# KiCad board ciaa_acc.kicad_pcb (continued)
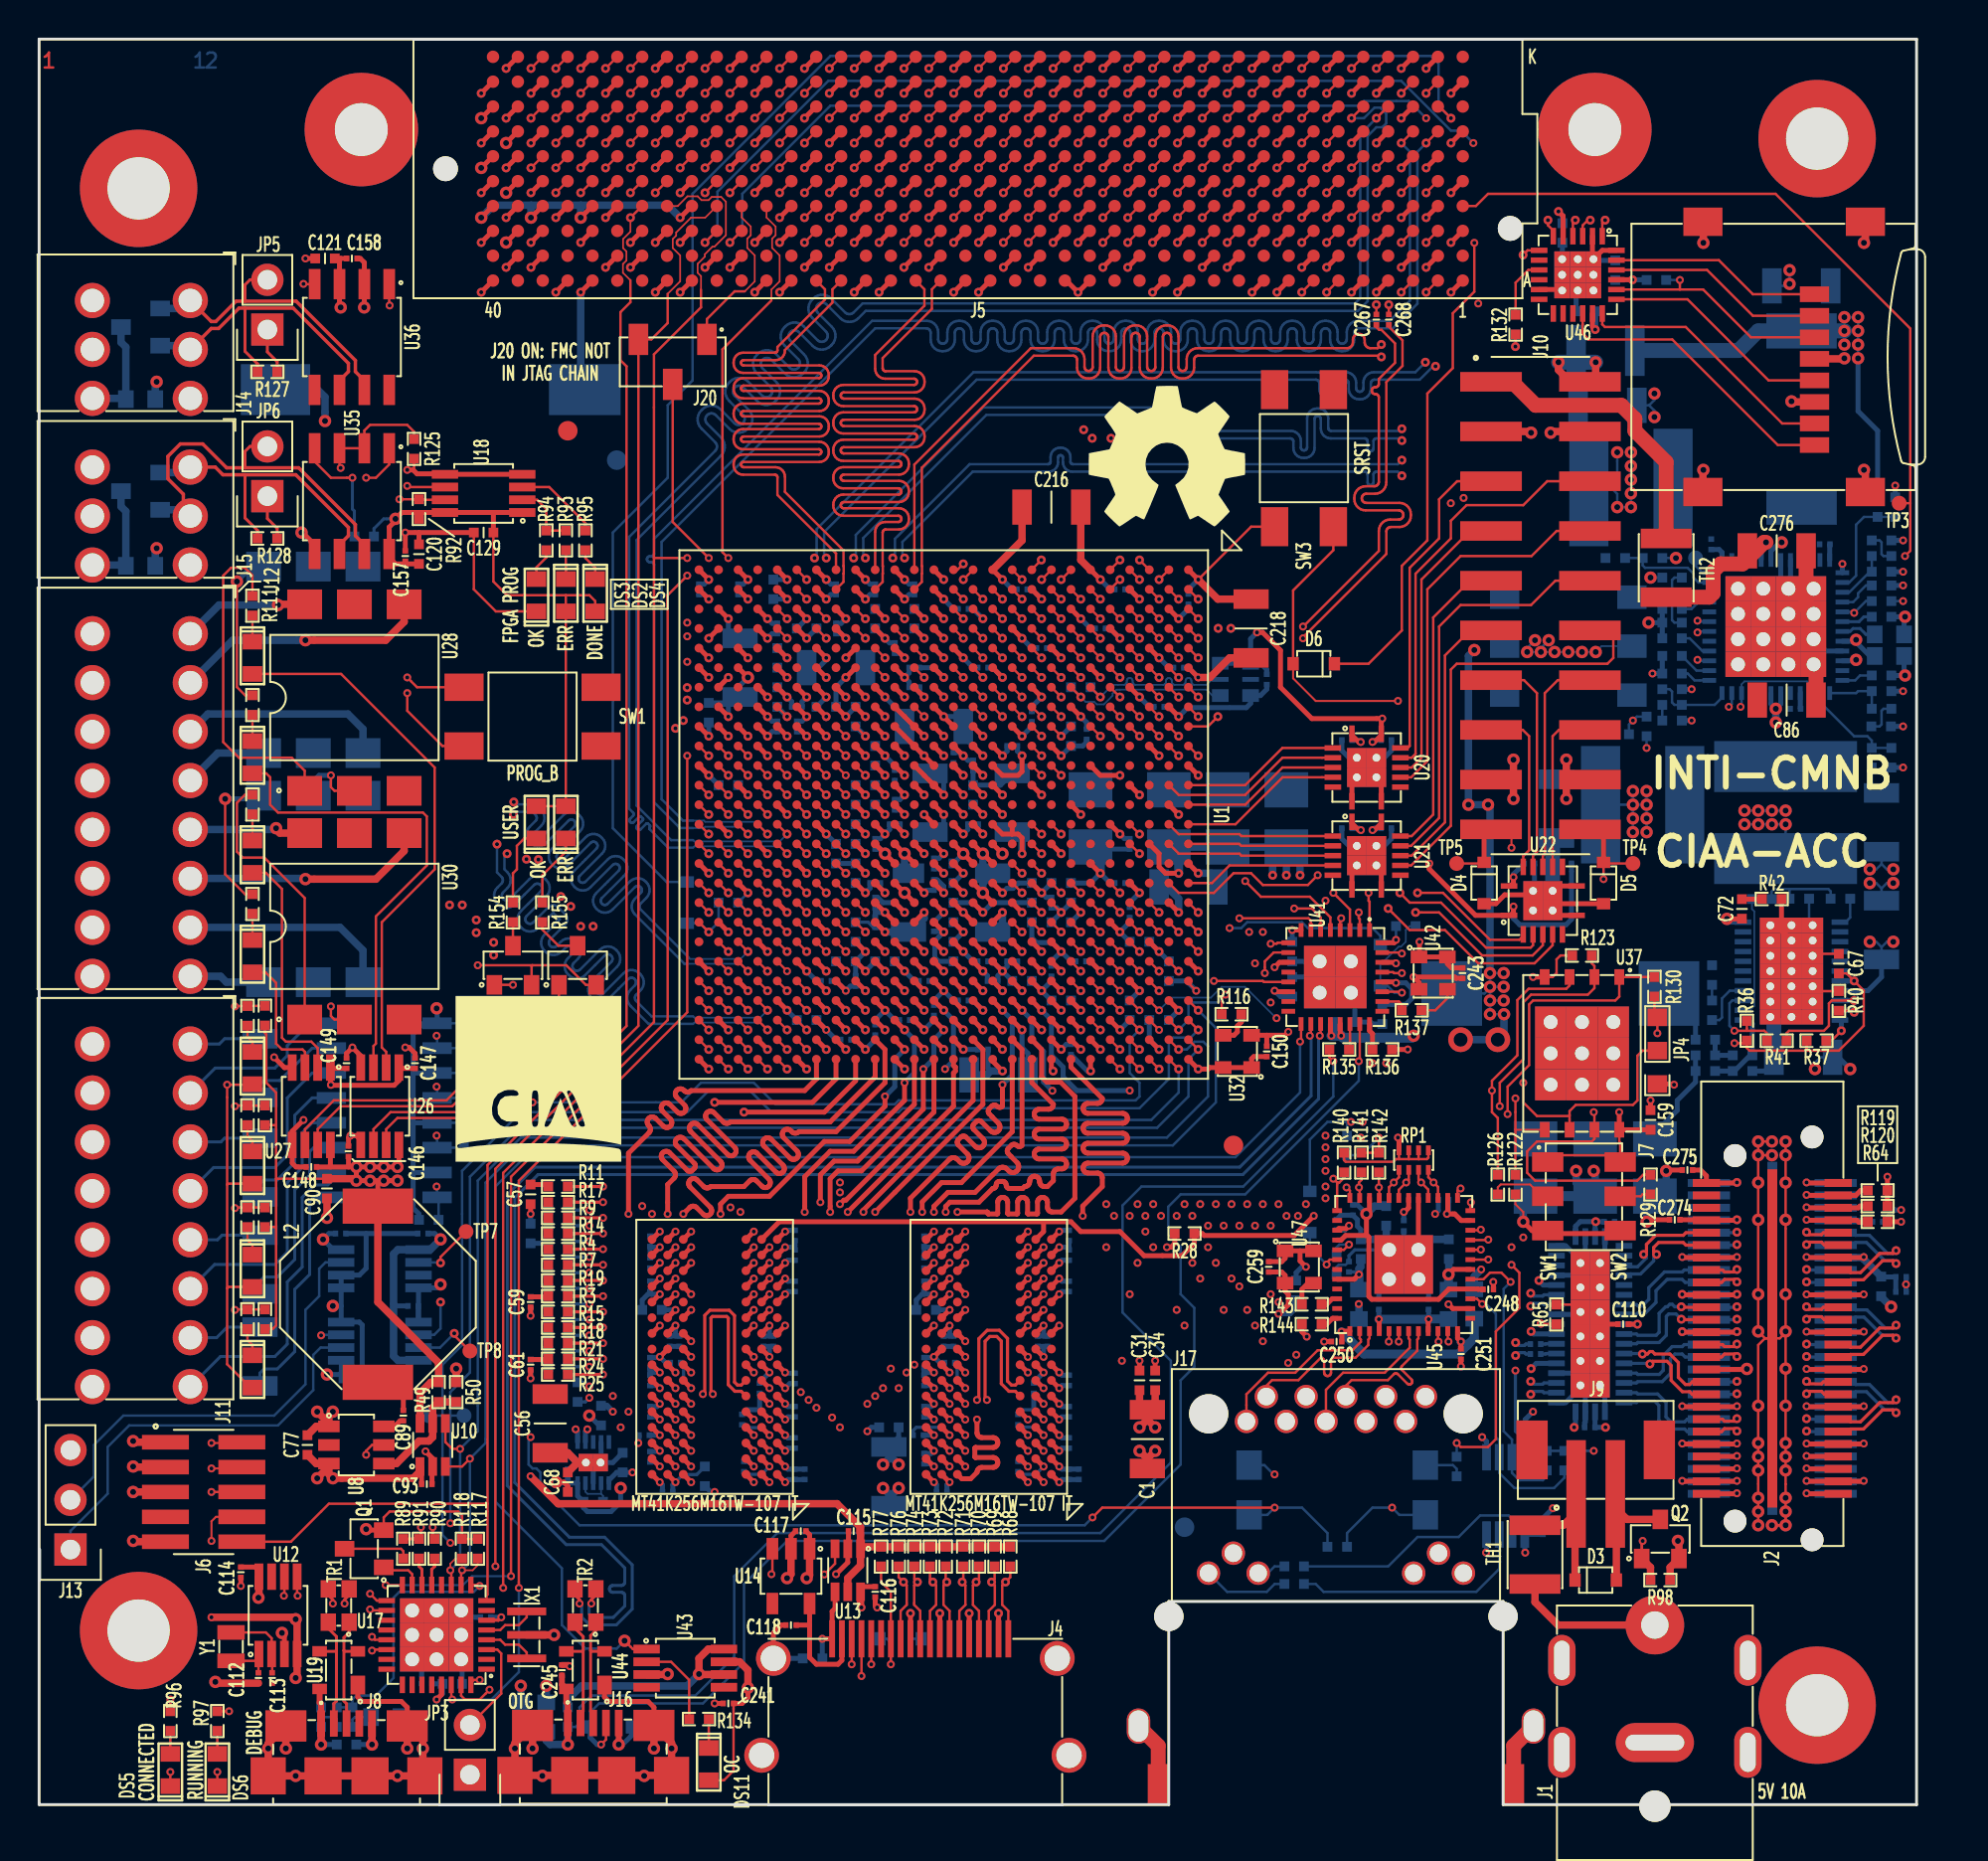
[diagram p0: board, top side]
## Footprints (pads in the part's own frame, mm; a bottom-side part is the same pattern mirrored in y, then rotated) (continued)
LSF0204D
  rect 0.85x0.28 smd: 1(-1.725,-0.75) 7(1.725,-0.75) 8(1.725,0.75) 14(-1.725,0.75)
  rect 0.28x0.85 smd: 2(-1,-1.725) 3(-0.5,-1.725) 4(0,-1.725) 5(0.5,-1.725) 6(1,-1.725) 9(1,1.725) 10(0.5,1.725) 11(0,1.725) 12(-0.5,1.725) 13(-1,1.725)
  rect 1x1 hole 0.4: 15(-0.5,0.5) 15(-0.5,-0.5) 15(0.5,0.5) 15(0.5,-0.5)
MicroSD_Hinged
  rect 0.8x1.5 smd: 1(3.2,-1.55) 2(2.1,-1.55) 3(1,-1.55) 4(-0.1,-1.55) 5(-1.2,-1.55) 6(-2.3,-1.55) 7(-3.4,-1.55) 8(-4.5,-1.55)
  rect 1.45x2 smd: 9(-6.9,4.15) 9(-6.9,-4.15) 9(6.9,4.15) 9(6.9,-4.15)
MSOP-8
  rect 0.45x1.35 smd: 1(-0.975,-1.975) 2(-0.325,-1.975) 3(0.325,-1.975) 4(0.975,-1.975) 5(0.975,1.975) 6(0.325,1.975) 7(-0.325,1.975) 8(-0.975,1.975)
OPTO_SMD
  rect 1.5x1.3 smd: 1(-1.27,-4.5) 2(1.27,-4.5) 3(1.27,4.5) 4(-1.27,4.5)
PCIE104_HOLE
  round 6 hole 3.18: 1(0,0)
PIN_ARRAY_5x2_1.27_SMD
  rect 0.75x2.4 smd: 1(2.54,1.95) 3(1.27,1.95) 8(-1.27,-1.95) 9(-2.54,1.95)
  rect 0.74x2.4 smd: 2(2.54,-1.95) 4(1.27,-1.95) 5(0,1.95) 6(0,-1.95) 7(-1.27,1.95) 10(-2.54,-1.95)
Pin_Header_Straight_1x02
  rect 1.651x1.651 hole 1: 1(0,0)
  oval 1.651x1.651 hole 1: 2(0,-2.54)
Pin_Header_Straight_1x03
  rect 1.651x1.651 hole 1: 1(0,0)
  oval 1.651x1.651 hole 1: 2(0,-2.54) 3(0,-5.08)
Pin_Header_Straight_2x10_SMD
  rect 1x3.15 smd: 1(11.43,2.525) 2(11.43,-2.525) 3(8.89,2.525) 4(8.89,-2.525) 5(6.35,2.525) 6(6.35,-2.525) 7(3.81,2.525) 8(3.81,-2.525) 9(1.27,2.525) 10(1.27,-2.525) 11(-1.27,2.525) 12(-1.27,-2.525) 13(-3.81,2.525) 14(-3.81,-2.525) 15(-6.35,2.525) 16(-6.35,-2.525) 17(-8.89,2.525) 18(-8.89,-2.525) 19(-11.43,2.525) 20(-11.43,-2.525)
PJ-082BH
  round 1.6 hole 1.6 unplated: (2.75,0)
  round 3 hole 1.4: 1(12,0)
  oval 2.6x1.4 hole 2x0.8: 2(5.5,4.75) 2(5.5,-4.75) 2(10.2,4.75) 2(10.2,-4.75)
  oval 2x4 hole 0.8x3: 2(6,0)
ptc_1210
  rect 1x2.6 smd: 1(1.5,0) 2(-1.5,0)
r_0402
  rect 0.5x0.5 smd: 1(-0.5,0) 2(0.5,0)
r_0402_4
  rect 0.25x0.5 smd: 1(-0.75,-0.5) 2(-0.25,-0.5) 3(0.25,-0.5) 4(0.75,-0.5) 5(0.75,0.5) 6(0.25,0.5) 7(-0.25,0.5) 8(-0.75,0.5)
r_1206
  rect 1x1.8 smd: 1(-1.5,0) 2(1.5,0)
SC-70-6
  rect 0.45x0.95 smd: 1(-0.65,-1.1) 2(0,-1.1) 3(0.65,-1.1) 4(0.65,1.1) 5(0,1.1) 6(-0.65,1.1)
SOD-323
  rect 0.584x0.686 smd: 1(-1.055,0) 2(1.055,0)
SOIC-8
  rect 1.55x0.6 smd: 1(-2.7,1.905) 2(-2.7,0.635) 3(-2.7,-0.635) 4(-2.7,-1.905) 5(2.7,-1.905) 6(2.7,-0.635) 7(2.7,0.635) 8(2.7,1.905)
SOIC-16
  rect 0.6x1.5 smd: 1(-4.445,-2.7) 2(-3.175,-2.7) 3(-1.905,-2.7) 4(-0.635,-2.7) 5(0.635,-2.7) 6(1.905,-2.7) 7(3.175,-2.7) 8(4.445,-2.7) 9(4.445,2.7) 10(3.175,2.7) 11(1.905,2.7) 12(0.635,2.7) 13(-0.635,2.7) 14(-1.905,2.7) 15(-3.175,2.7) 16(-4.445,2.7)
SOT-23
  rect 0.8x1 smd: 1(-0.95,-1) 2(0.95,-1) 3(0,1)
SOT-23-5
  rect 0.6x1.1 smd: 1(-0.95,-1.4) 2(0,-1.4) 3(0.95,-1.4) 4(0.95,1.4) 5(-0.95,1.4)
SOT-23-6
  rect 0.6x1.1 smd: 1(-0.95,-1.4) 2(0,-1.4) 3(0.95,-1.4) 4(0.95,1.4) 5(0,1.4) 6(-0.95,1.4)
SOT-143
  rect 0.96x0.75 smd: 1(-0.76,-0.975)
  rect 0.54x0.75 smd: 2(0.96,-0.975) 3(0.96,0.975) 4(-0.96,0.975)
SRF2012
  rect 0.889x0.787 smd: 1(-0.851,-0.533) 2(0.851,-0.533) 3(0.851,0.533) 4(-0.851,0.533)
SRN6045
  rect 2x6 smd: 1(-2.15,0) 2(2.15,0)
SRP1238A
  rect 3.1x3.3 smd: 1(-5.55,0) 2(5.55,0)
SRR6038
  rect 2.6x7.3 smd: 1(-2.35,0) 2(2.35,0)
SRU1048
  rect 1.8x3.6 smd: 1(-4.5,0) 2(4.5,0)
TACT_SMD_4.5X4.5
  rect 2x1.4 smd: 1(-3.5,1.5) 2(3.5,1.5) 3(-3.5,-1.5) 4(3.5,-1.5)
tant_B_3528
  rect 1.8x2.23 smd: 1(1.46,0) 2(-1.46,0)
TESTPOINT
  round 0.762 smd: 1(0,0)
TPS51206
  rect 0.23x0.7 smd: 1(-0.8,-1.05) 2(-0.4,-1.05) 3(0,-1.05) 4(0.4,-1.05) 5(0.8,-1.05) 6(0.8,1.05) 7(0.4,1.05) 8(0,1.05) 9(-0.4,1.05) 10(-0.8,1.05)
  rect 0.75x0.9 hole 0.4: 11(-0.375,0) 11(0.375,0)
TPS53355
  rect 0.28x0.85 smd: 1(-2.5,-2.475) 2(-2,-2.475) 3(-1.5,-2.475) 4(-1,-2.475) 5(-0.5,-2.475) 6(0,-2.475) 7(0.5,-2.475) 8(1,-2.475) 9(1.5,-2.475) 10(2,-2.475) 11(2.5,-2.475) 12(2.5,2.475) 13(2,2.475) 14(1.5,2.475) 15(1,2.475) 16(0.5,2.475) 17(0,2.475) 18(-0.5,2.475) 19(-1,2.475) 20(-1.5,2.475) 21(-2,2.475) 22(-2.5,2.475)
  rect 0.78x1.08 hole 0.4: 23(-2.34,-1.08) 23(-2.34,0) 23(-2.34,1.08) 23(-1.56,-1.08) 23(-1.56,0) 23(-1.56,1.08) 23(-0.78,-1.08) 23(-0.78,0) 23(-0.78,1.08) 23(0,-1.08) 23(0,0) 23(0,1.08) 23(0.78,-1.08) 23(0.78,0) 23(0.78,1.08) 23(1.56,-1.08) 23(1.56,0) 23(1.56,1.08) 23(2.34,-1.08) 23(2.34,0) 23(2.34,1.08)
TPS65400
  rect 0.7x0.25 smd: 1(-3.4,2.75) 2(-3.4,2.25) 3(-3.4,1.75) 4(-3.4,1.25) 5(-3.4,0.75) 6(-3.4,0.25) 7(-3.4,-0.25) 8(-3.4,-0.75) 9(-3.4,-1.25) 10(-3.4,-1.75) 11(-3.4,-2.25) 12(-3.4,-2.75) 25(3.4,-2.75) 26(3.4,-2.25) 27(3.4,-1.75) 28(3.4,-1.25) 29(3.4,-0.75) 30(3.4,-0.25) 31(3.4,0.25) 32(3.4,0.75) 33(3.4,1.25) 34(3.4,1.75) 35(3.4,2.25) 36(3.4,2.75)
  rect 0.25x0.7 smd: 13(-2.75,-3.4) 14(-2.25,-3.4) 15(-1.75,-3.4) 16(-1.25,-3.4) 17(-0.75,-3.4) 18(-0.25,-3.4) 19(0.25,-3.4) 20(0.75,-3.4) 21(1.25,-3.4) 22(1.75,-3.4) 23(2.25,-3.4) 24(2.75,-3.4) 37(2.75,3.4) 38(2.25,3.4) 39(1.75,3.4) 40(1.25,3.4) 41(0.75,3.4) 42(0.25,3.4) 43(-0.25,3.4) 44(-0.75,3.4) 45(-1.25,3.4) 46(-1.75,3.4) 47(-2.25,3.4) 48(-2.75,3.4)
  rect 1.288x1.288 hole 0.711: 49(-1.931,-1.931) 49(-1.931,-0.644) 49(-1.931,0.644) 49(-1.931,1.931) 49(-0.644,-1.931) 49(-0.644,-0.644) 49(-0.644,0.644) 49(-0.644,1.931) 49(0.644,-1.931) 49(0.644,-0.644) 49(0.644,0.644) 49(0.644,1.931) 49(1.931,-1.931) 49(1.931,-0.644) 49(1.931,0.644) 49(1.931,1.931)
TXS02612
  rect 0.28x0.85 smd: 1(-1.25,-1.975) 2(-0.75,-1.975) 3(-0.25,-1.975) 4(0.25,-1.975) 5(0.75,-1.975) 6(1.25,-1.975) 13(1.25,1.975) 14(0.75,1.975) 15(0.25,1.975) 16(-0.25,1.975) 17(-0.75,1.975) 18(-1.25,1.975)
  rect 0.85x0.28 smd: 7(1.975,-1.25) 8(1.975,-0.75) 9(1.975,-0.25) 10(1.975,0.25) 11(1.975,0.75) 12(1.975,1.25) 19(-1.975,1.25) 20(-1.975,0.75) 21(-1.975,0.25) 22(-1.975,-0.25) 23(-1.975,-0.75) 24(-1.975,-1.25)
  rect 0.8x0.8 hole 0.4: 25(-0.8,0.8) 25(-0.8,0) 25(-0.8,-0.8) 25(0,0.8) 25(0,0) 25(0,-0.8) 25(0.8,0.8) 25(0.8,0) 25(0.8,-0.8)
USB3320C
  rect 0.7x0.25 smd: 1(-2.4,1.75) 2(-2.4,1.25) 3(-2.4,0.75) 4(-2.4,0.25) 5(-2.4,-0.25) 6(-2.4,-0.75) 7(-2.4,-1.25) 8(-2.4,-1.75) 17(2.4,-1.75) 18(2.4,-1.25) 19(2.4,-0.75) 20(2.4,-0.25) 21(2.4,0.25) 22(2.4,0.75) 23(2.4,1.25) 24(2.4,1.75)
  rect 0.25x0.7 smd: 9(-1.75,-2.4) 10(-1.25,-2.4) 11(-0.75,-2.4) 12(-0.25,-2.4) 13(0.25,-2.4) 14(0.75,-2.4) 15(1.25,-2.4) 16(1.75,-2.4) 25(1.75,2.4) 26(1.25,2.4) 27(0.75,2.4) 28(0.25,2.4) 29(-0.25,2.4) 30(-0.75,2.4) 31(-1.25,2.4) 32(-1.75,2.4)
  rect 1.6x1.6 hole 0.711: 33(-0.8,0.8) 33(-0.8,-0.8) 33(0.8,0.8) 33(0.8,-0.8)
WSON-8
  rect 0.5x0.8 smd: 1(-1.905,-3.9) 2(-0.635,-3.9) 3(0.635,-3.9) 4(1.905,-3.9) 5(1.905,3.9) 6(0.635,3.9) 7(-0.635,3.9) 8(-1.905,3.9)
  rect 1.6x1.6 hole 0.711: 9(-1.6,1.6) 9(-1.6,0) 9(-1.6,-1.6) 9(0,1.6) 9(0,0) 9(0,-1.6) 9(1.6,1.6) 9(1.6,0) 9(1.6,-1.6)
ZX62-AB-5PA
  rect 0.4x1.35 smd: 1(-1.3,2.675) 2(-0.65,2.675) 3(0,2.675) 4(0.65,2.675) 5(1.3,2.675)
  rect 1.8x1.9 smd: 6(-4,0) 6(4,0)
  rect 2.1x1.6 smd: 6(-3.1,2.55) 6(3.1,2.55)
  rect 1.9x1.9 smd: 6(-1.2,0) 6(1.2,0)

## Nets
+1.0V: C74.2 C76.1 C78.1 C79.1 C123.2 C124.2 C125.2 C126.2 C127.2 C155.2 C160.2 C161.2 C162.1 C163.2 C164.2 C165.2 C166.1 C167.2 C168.2 C170.1 C171.2 C172.2 C173.2 C174.1 C175.2 C176.2 C177.2 C179.2 C181.2 C182.2 C183.2 C185.2 C187.2 C189.2 C191.2 C193.2 C195.2 C198.2 C201.2 C202.2 L1.2 R44.2 U1.AA4 U1.AA8 U1.AB6 U1.AC8 U1.AD6 U1.AE8 U1.L11 U1.L13 U1.L15 U1.L17 U1.M12 U1.M16 U1.N11 U1.N15 U1.N17 U1.P12 U1.P16 U1.P18 U1.R4 U1.R11 U1.R15 U1.R17 U1.T6 U1.T12 U1.T14 U1.T16 U1.T18 U1.U4 U1.U11 U1.U13 U1.U15 U1.U17 U1.V16 U1.Y6
+1.2V: C80.2 C178.2 C211.1 C227.2 C229.2 C233.2 C246.2 C247.2 C252.2 C253.1 C254.1 C255.1 C260.2 C264.2 FB11.1 FB12.1 L4.2 R53.1 R115.1 U1.AB2 U1.AB7 U1.AC4 U1.AD2 U1.AE4 U1.AF2 U1.AF6 U1.T2 U1.V2 U1.W4 U1.Y2 U45.14 U45.18 U45.23 U45.26 U45.30 U45.39
+1.5V: C1.2 C2.2 C3.1 C4.2 C5.2 C6.1 C7.2 C8.1 C9.1 C10.2 C11.1 C12.1 C13.2 C14.1 C15.1 C16.2 C17.1 C18.1 C19.2 C20.1 C21.1 C22.2 C23.1 C24.1 C25.2 C26.1 C27.1 C28.2 C29.2 C30.1 C31.2 C32.2 C33.1 C34.2 C35.1 C36.1 C37.2 C38.1 C39.1 C40.2 C41.1 C42.1 C43.2 C44.1 C45.1 C46.2 C47.1 C48.1 C49.2 C50.1 C51.1 C52.2 C53.1 C54.1 C81.2 C190.2 C194.2 C208.2 C213.2 C215.2 C217.2 C219.2 C220.2 C222.2 C224.2 C226.2 C228.2 C230.2 C232.2 C234.2 J19.3 J19.6 L6.2 R1.2 R62.1 U1.H25 U1.J22 U1.L26 U1.M23 U1.N20 U1.R24 U1.T21 U1.V25 U1.W22 U2.A1 U2.A8 U2.B2 U2.C1 U2.C9 U2.D2 U2.D9 U2.E9 U2.F1 U2.G7 U2.H2 U2.H9 U2.K2 U2.K8 U2.N1 U2.N9 U2.R1 U2.R9 U3.A1 U3.A8 U3.B2 U3.C1 U3.C9 U3.D2 U3.D9 U3.E9 U3.F1 U3.G7 U3.H2 U3.H9 U3.K2 U3.K8 U3.N1 U3.N9 U3.R1 U3.R9 U4.1 U9.13
+1.8V: C82.2 C132.1 C156.2 C169.2 C180.2 C184.2 C192.2 C196.2 C199.2 C200.2 C203.2 C207.2 C210.1 C231.2 C235.2 C236.2 C238.1 C239.1 C240.1 C243.2 C248.1 C249.1 C256.2 C262.1 FB7.2 J19.1 J19.4 L3.2 R51.1 R131.2 R133.2 R139.2 R140.1 RP1.1 RP1.2 RP1.3 RP1.4 U1.C20 U1.D17 U1.F21 U1.G18 U1.K18 U1.L19 U1.M10 U1.M14 U1.N9 U1.N19 U1.P8 U1.P10 U1.R9 U1.R19 U1.T8 U1.T10 U1.U9 U1.U19 U1.V6 U1.V10 U9.27 U9.34 U22.1 U41.8 U41.11 U41.14 U41.28 U41.30 U41.32 U42.1 U42.4 U45.16 U45.34 U45.40 U46.5 U48.8
+3.3V: C68.1 C69.1 C83.2 C109.2 C110.2 C111.2 C114.2 C119.2 C120.2 C121.2 C128.2 C129.1 C130.2 C133.1 C135.1 C137.1 C147.1 C149.1 C150.2 C152.1 C154.1 C157.2 C158.2 C159.2 C186.2 C188.2 C205.2 C206.2 C209.1 C212.2 C237.1 C259.1 C261.2 C263.1 C266.2 DS2.1 DS4.1 DS7.1 DS8.1 DS9.1 DS10.1 DS12.1 DS13.1 FB10.1 J5.C39 J5.D32 J5.D36 J5.D38 J5.D40 J6.1 J7.1 J7.4 J17.12 J18.4 JP4.1 L5.2 Q1.2 R31.2 R60.1 R80.2 R92.2 R117.2 R118.2 R119.1 R120.1 R121.1 R130.1 R149.1 TH3.1 U1.A26 U1.B23 U1.E24 U1.T7 U1.U8 U1.V8 U1.V12 U1.V14 U1.W8 U4.2 U4.10 U11.5 U11.8 U11.13 U11.18 U11.20 U11.30 U11.40 U11.42 U12.8 U17.6 U17.29 U18.1 U18.8 U20.14 U21.14 U22.14 U26.1 U27.1 U32.1 U32.4 U33.1 U34.8 U35.8 U36.3 U37.8 U41.20 U41.21 U46.17 U46.21 U47.1 U47.4 U48.1 U49.1 U49.6
+5V: C65.2 C66.2 C77.1 C86.1 C93.1 C116.1 C117.2 C241.1 C276.1 DS11.1 J1.1 J2.53 J3.53 R33.1 R66.2 TH1.2 TH2.1 U5.12 U5.13 U5.14 U5.15 U5.16 U5.17 U5.19 U7.4 U8.3 U9.5 U9.6 U9.22 U9.30 U9.31 U10.1 U13.6 U14.1 U43.7
/Principal/BANK_501/AVDDH: C250.1 C251.1 FB10.2 U45.1 U45.12
/Principal/BANK_501/AVDDL: C257.1 C258.1 FB11.2 U45.4 U45.9
/Principal/BANK_501/AVDDL_PLL: C214.1 C265.1 FB12.2 U45.44
/Principal/PMIC/VDDD: C102.2 R57.2 U9.20 U9.39
GND: BT1.2 C1.1 C2.1 C3.2 C4.1 C5.1 C6.2 C7.1 C8.2 C9.2 C10.1 C11.2 C12.2 C13.1 C14.2 C15.2 C16.1 C17.2 C18.2 C19.1 C20.2 C21.2 C22.1 C23.2 C24.2 C25.1 C26.2 C27.2 C28.1 C29.1 C30.2 C31.1 C32.1 C33.2 C34.1 C35.2 C36.2 C37.1 C38.2 C39.2 C40.1 C41.2 C42.2 C43.1 C44.2 C45.2 C46.1 C47.2 C48.2 C49.1 C50.2 C51.2 C52.1 C53.2 C54.2 C55.1 C56.1 C57.1 C58.1 C59.1 C60.1 C61.2 C62.2 C63.1 C64.1 C65.1 C66.1 C67.1 C68.2 C69.2 C70.1 C71.1 C76.2 C77.2 C78.2 C79.2 C80.1 C81.1 C82.1 C83.1 C84.2 C85.1 C86.2 C87.1 C88.1 C90.2 C91.1 C92.1 C93.2 C96.1 C97.1 C98.1 C99.1 C100.1 C101.1 C102.1 C103.1 C104.1 C109.1 C110.1 C111.1 C112.1 C113.1 C114.1 C115.2 C116.2 C117.1 C118.1 C119.1 C120.1 C121.1 C122.1 C123.1 C124.1 C125.1 C126.1 C127.1 C128.1 C129.2 C130.1 C131.1 C132.2 C133.2 C134.2 C135.2 C136.2 C137.2 C138.1 C139.1 C140.1 C141.1 C146.2 C147.2 C148.2 C149.2 C150.1 C151.2 C152.2 C153.2 C154.2 C155.1 C156.1 C157.1 C158.1 C159.1 C160.1 C161.1 C162.2 C163.1 C164.1 C165.1 C166.2 C167.1 C168.1 C169.1 C170.2 C171.1 C172.1 C173.1 C174.2 C175.1 C176.1 C177.1 C178.1 C179.1 C180.1 C181.1 C182.1 C183.1 C184.1 C185.1 C186.1 C187.1 C188.1 C189.1 C190.1 C191.1 C192.1 C193.1 C194.1 C195.1 C196.1 C197.1 C198.1 C199.1 C200.1 C201.1 C202.1 C203.1 C204.1 C205.1 C206.1 C207.1 C208.1 C209.2 C210.2 C211.2 C212.1 C213.1 C214.2 C215.1 C216.1 C217.1 C218.1 C219.1 C220.1 C221.1 C222.1 C223.2 C224.1 C225.2 C226.1 C227.1 C228.1 C229.1 C230.1 C231.1 C232.1 C233.1 C234.1 C235.1 C236.1 C237.2 C238.2 C239.2 C240.2 C241.2 C242.2 C243.1 C244.2 C245.2 C246.1 C247.1 C248.2 C249.2 C250.2 C251.2 C252.1 C253.2 C254.2 C255.2 C256.1 C257.2 C258.2 C259.2 C260.1 C261.1 C262.2 C263.2 C264.1 C265.2 C266.1 C269.2 C270.2 C273.2 C274.2 C275.2 C276.2 C277.1 C278.1 C279.1 C280.1 C281.1 C282.1 C283.1 C284.1 C285.1 C286.1 C287.1 C288.1 D1.1 D4.1 D5.1 D8.1 DS3.2 DS5.2 DS6.2 FB4.1 FB5.1 FB6.1 FB9.1 J1.2 J2.9 J2.10 J2.15 J2.16 J2.21 J2.22 J2.27 J2.28 J2.33 J2.34 J3.9 J3.10 J3.15 J3.16 J3.21 J3.22 J3.27 J3.28 J3.33 J3.34 J4.2 J4.5 J4.8 J4.11 J4.17 J4.20 J5.A1 J5.A4 J5.A5 J5.A8 J5.A9 J5.A12 J5.A13 J5.A16 J5.A17 J5.A20 J5.A21 J5.A24 J5.A25 J5.A28 J5.A29 J5.A32 J5.A33 J5.A36 J5.A37 J5.A40 J5.B2 J5.B3 J5.B6 J5.B7 J5.B10 J5.B11 J5.B14 J5.B15 J5.B18 J5.B19 J5.B22 J5.B23 J5.B26 J5.B27 J5.B30 J5.B31 J5.B34 J5.B35 J5.B38 J5.B39 J5.C1 J5.C4 J5.C5 J5.C8 J5.C9 J5.C12 J5.C13 J5.C16 J5.C17 J5.C20 J5.C21 J5.C24 J5.C25 J5.C28 J5.C29 J5.C32 J5.C33 J5.C34 J5.C36 J5.C38 J5.C40 J5.D2 J5.D3 J5.D6 J5.D7 J5.D10 J5.D13 J5.D16 J5.D19 J5.D22 J5.D25 J5.D28 J5.D35 J5.D37 J5.D39 J5.E1 J5.E4 J5.E5 J5.E8 J5.E11 J5.E14 J5.E17 J5.E20 J5.E23 J5.E26 J5.E29 J5.E32 J5.E35 J5.E38 J5.E40 J5.F2 J5.F3 J5.F6 J5.F9 J5.F12 J5.F15 J5.F18 J5.F21 J5.F24 J5.F27 J5.F30 J5.F33 J5.F36 J5.F39 J5.G1 J5.G4 J5.G5 J5.G8 J5.G11 J5.G14 J5.G17 J5.G20 J5.G23 J5.G26 J5.G29 J5.G32 J5.G35 J5.G38 J5.G40 J5.H3 J5.H6 J5.H9 J5.H12 J5.H15 J5.H18 J5.H21 J5.H24 J5.H27 J5.H30 J5.H33 J5.H36 J5.H39 J5.J1 J5.J4 J5.J5 J5.J8 J5.J11 J5.J14 J5.J17 J5.J20 J5.J23 J5.J26 J5.J29 J5.J32 J5.J35 J5.J38 J5.J40 J5.K2 J5.K3 J5.K6 J5.K9 J5.K12 J5.K15 J5.K18 J5.K21 J5.K24 J5.K27 J5.K30 J5.K33 J5.K36 J5.K39 J6.3 J6.5 J6.9 J7.3 J7.6 J8.5 J10.3 J10.4 J10.17 J10.18 J13.3 J16.5 J17.10 J17.17 J18.6 J18.9 JP3.1 JP4.3 Q2.2 Q3.2 Q4.2 R2.2 R28.2 R29.2 R30.2 R34.2 R40.2 R42.2 R45.1 R46.2 R50.1 R52.2 R54.2 R58.2 R59.1 R61.2 R63.2 R65.2 R75.2 R88.1 R98.2 R122.2 R123.2 R124.2 R125.2 R136.2 R138.1 R141.1 R142.1 R144.1 R146.2 R147.2 R148.2 R152.1 SW1.1 SW3.1 U1.A1 U1.A11 U1.A21 U1.AA3 U1.AA7 U1.AA9 U1.AA11 U1.AA21 U1.AB1 U1.AB5 U1.AB9 U1.AB18 U1.AC3 U1.AC7 U1.AC9 U1.AC15 U1.AC25 U1.AD1 U1.AD5 U1.AD9 U1.AD12 U1.AD22 U1.AE3 U1.AE7 U1.AE9 U1.AE19 U1.AF1 U1.AF5 U1.AF9 U1.AF16 U1.AF26 U1.B8 U1.B18 U1.C5 U1.C15 U1.C25 U1.D2 U1.D12 U1.D22 U1.E9 U1.E19 U1.F6 U1.F16 U1.F26 U1.G3 U1.G13 U1.G23 U1.H10 U1.H20 U1.J7 U1.J17 U1.K4 U1.K14 U1.K24 U1.L1 U1.L10 U1.L12 U1.L14 U1.L16 U1.L18 U1.L21 U1.M9 U1.M11 U1.M13 U1.M15 U1.M17 U1.M19 U1.N5 U1.N10 U1.N12 U1.N13 U1.N14 U1.N16 U1.N18 U1.N25 U1.P1 U1.P2 U1.P3 U1.P4 U1.P5 U1.P6 U1.P7 U1.P9 U1.P11 U1.P13 U1.P14 U1.P15 U1.P17 U1.P19 U1.P22 U1.R3 U1.R7 U1.R10 U1.R12 U1.R16 U1.R18 U1.T1 U1.T5 U1.T9 U1.T11 U1.T13 U1.T15 U1.T17 U1.T19 U1.T26 U1.U3 U1.U7 U1.U10 U1.U12 U1.U14 U1.U16 U1.U18 U1.U23 U1.V1 U1.V5 U1.V7 U1.V13 U1.V15 U1.V17 U1.V20 U1.W3 U1.W7 U1.Y1 U1.Y5 U1.Y7 U1.Y8 U1.Y9 U1.Y14 U1.Y24 U2.A9 U2.B1 U2.B3 U2.B9 U2.D1 U2.D8 U2.E1 U2.E2 U2.E8 U2.F9 U2.G1 U2.G8 U2.G9 U2.J2 U2.J8 U2.M1 U2.M9 U2.P1 U2.P9 U2.T1 U2.T9 U3.A9 U3.B1 U3.B3 U3.B9 U3.D1 U3.D8 U3.E1 U3.E2 U3.E8 U3.F9 U3.G1 U3.G8 U3.G9 U3.J2 U3.J8 U3.M1 U3.M9 U3.P1 U3.P9 U3.T1 U3.T9 U4.4 U4.8 U4.11 U5.23 U7.2 U8.1 U9.7 U9.8 U9.21 U9.49 U10.2 U11.1 U11.4 U11.10 U11.14 U11.17 U11.19 U11.21 U11.39 U11.41 U11.43 U12.4 U13.2 U14.2 U17.33 U18.4 U18.5 U20.7 U20.8 U20.15 U21.7 U21.8 U21.15 U22.7 U22.8 U22.15 U23.9 U23.11 U23.13 U23.15 U26.4 U26.5 U27.4 U27.5 U28.2 U29.2 U30.2 U31.2 U32.2 U33.4 U33.5 U34.4 U34.5 U34.6 U35.5 U36.2 U37.4 U37.9 U41.33 U42.2 U43.3 U45.29 U45.49 U46.2 U46.11 U46.24 U46.25 U47.2 U48.4 U48.5 U49.3 X1.3
VCCO_HP: C134.1 C136.1 C216.2 C218.2 C221.2 C277.2 C278.2 C279.2 C280.2 C281.2 C282.2 C283.2 C284.2 C285.2 C286.2 C287.2 C288.2 J19.2 J19.5 U1.A6 U1.A16 U1.B3 U1.B13 U1.C10 U1.D7 U1.E4 U1.E14 U1.F1 U1.F11 U1.G8 U1.H5 U1.H15 U1.J2 U1.J12 U1.K9 U1.L6 U1.M3 U20.1 U21.1
VCCO_HR: C90.1 C115.1 C146.1 C148.1 C151.1 C153.1 C197.2 C204.2 J5.E39 J5.F40 J5.G39 J5.H40 L2.2 R49.1 R68.1 R69.1 R70.1 R71.1 R72.1 R73.1 R74.1 R76.1 R77.2 R79.1 R107.2 R108.2 R109.2 R110.2 U1.AA16 U1.AA26 U1.AB13 U1.AB23 U1.AC10 U1.AC20 U1.AD17 U1.AE14 U1.AE24 U1.AF11 U1.AF21 U1.Y19 U10.6 U13.1 U13.5 U26.8 U27.8 U33.8 U34.1
/Principal/BANK_0/CHS_DBG: FB4.2 J8.6 U19.1
/Principal/BANK_0/DBG_USB_B_N: J8.2 TR1.4 U19.3
/Principal/BANK_0/DBG_USB_B_P: J8.3 TR1.1 U19.2
/Principal/BANK_0/DBG_USB_N: R90.1 TR1.3
/Principal/BANK_0/DBG_USB_P: R89.2 R91.1 TR1.2
/Principal/BANK_0/DBG_VBUS: FB3.1 R87.2
/Principal/BANK_0/DBG_VBUS_B: C131.2 FB3.2 J8.1 U19.4
/Principal/BANK_0/DBG_VBUS_DIV: R87.1 R88.2 U17.9
/Principal/BANK_0/FPGA_DONE: U1.W9 U18.6
/Principal/BANK_0/I2C_SCL: D5.2 J4.15 J10.20 R117.1 TP4.1 U1.A23 U9.43 U10.3 U12.6 U17.10
/Principal/BANK_0/I2C_SDA: D4.2 J4.16 J10.19 R118.1 TP5.1 U1.B25 U9.42 U10.4 U12.5 U17.11
/Principal/BANK_0/INIT_B: R92.1 U1.R8 U18.7
/Principal/BANK_0/LED_CON: R96.2 U17.21
/Principal/BANK_0/LED_RUN: R97.2 U17.22
/Principal/BANK_0/LPC_UART_RX: TP6.1 U1.B26 U17.31
/Principal/BANK_0/LPC_UART_TX: TP1.1 U1.A25 U17.32
/Principal/BANK_0/POWERGOOD: J5.D1 R57.1 TP3.1 U1.C23 U9.17
/Principal/BANK_0/SMBUS_SCL: J2.49 J3.49 J5.C30 R119.2 U1.D23
/Principal/BANK_0/SMBUS_SDA: J2.47 J3.47 J5.C31 R120.2 U1.C24
/Principal/BANK_0/TCK: J5.D29 J6.4 U1.W12 U17.16
/Principal/BANK_0/TDI: J6.8 U1.V11 U17.30
/Principal/BANK_0/TDO: J5.D31 J6.6 J20.3 U17.18
/Principal/BANK_0/TMS: J5.D33 J6.2 U1.W11 U17.17
/Principal/BANK_112/DP0_C2M_N: J5.A27 U1.W1
/Principal/BANK_112/DP0_C2M_P: J5.A26 U1.W2
/Principal/BANK_112/DP0_M2C_N: J5.A7 U1.Y3
/Principal/BANK_112/DP0_M2C_P: J5.A6 U1.Y4
/Principal/BANK_112/DP1_C2M_N: J5.A23 U1.U1
/Principal/BANK_112/DP1_C2M_P: J5.A22 U1.U2
/Principal/BANK_112/DP1_M2C_N: J5.A3 U1.V3
/Principal/BANK_112/DP1_M2C_P: J5.A2 U1.V4
/Principal/BANK_112/DP2_C2M_N: J5.C3 U1.R1
/Principal/BANK_112/DP2_C2M_P: J5.C2 U1.R2
/Principal/BANK_112/DP2_M2C_N: J5.C7 U1.T3
/Principal/BANK_112/DP2_M2C_P: J5.C6 U1.T4
/Principal/BANK_112/MGTREFCLK0_N: U1.U5 U11.12
/Principal/BANK_112/MGTREFCLK0_P: U1.U6 U11.11
/Principal/BANK_112/MGTXRX0_N: U1.AB3 U11.3
/Principal/BANK_112/MGTXRX0_P: U1.AB4 U11.2
/Principal/BANK_112/MGTXTX0_N: C108.1 U1.AA1
/Principal/BANK_112/MGTXTX0_P: C107.1 U1.AA2
/Principal/BANK_500/CAN_N: J14.2 R127.2 U36.6 U39.2
/Principal/BANK_500/CAN_P: J14.1 JP5.2 U36.7 U39.1
/Principal/BANK_500/ETH_RST: D9.2 R124.1 U1.E23
/Principal/BANK_500/QSPI_CS: R130.2 U1.D26 U37.1
/Principal/BANK_500/QSPI_IO0: R122.1 U1.E25 U37.5
/Principal/BANK_500/QSPI_IO1: R123.1 U1.D25 U37.2
/Principal/BANK_500/QSPI_IO2: R126.2 U1.F24 U37.3
/Principal/BANK_500/QSPI_IO3: R129.1 U1.C26 U37.7
/Principal/BANK_500/QSPI_SCK: JP4.2 U1.F23 U37.6
/Principal/BANK_500/RS485_ENA_B: R125.1 U33.3 U35.2 U35.3
/Principal/BANK_500/RS485_N: J15.2 JP6.2 U35.7 U40.2
/Principal/BANK_500/RS485_P: J15.1 R128.1 U35.6 U40.1
/Principal/BANK_500/UART_485_RX: U1.D24 U35.1
/Principal/BANK_500/UART_485_TX: R121.2 U1.A24 U35.4
/Principal/BANK_500/UART_EMIO_RX_B: J13.2 U34.7
/Principal/BANK_500/UART_EMIO_TX_B: J13.1 U33.2
/Principal/BANK_500/USB_RST: D7.2 U1.E26
/Principal/BANK_501/CHS_OTG: FB9.2 J16.6 U44.1
/Principal/BANK_501/ETH_LED1: R148.1 U45.17 U48.7
/Principal/BANK_501/ETH_LED2: R147.1 U45.15 U48.6
/Principal/BANK_501/ETH_LEDM: R146.1 U45.41
/Principal/BANK_501/ETH_MDC: U1.A20 U45.36
/Principal/BANK_501/ETH_MDIO: R140.2 U1.A19 U45.37
/Principal/BANK_501/ETH_RX0: RP1.5 U1.F20 U45.32
/Principal/BANK_501/ETH_RX1: RP1.6 U1.J19 U45.31
/Principal/BANK_501/ETH_RX2: RP1.7 U1.F19 U45.28
/Principal/BANK_501/ETH_RX3: RP1.8 U1.H17 U45.27
/Principal/BANK_501/ETH_RX_CLK: R141.2 U1.G22 U45.35
/Principal/BANK_501/ETH_RX_CTL: R142.2 U1.F18 U45.33
/Principal/BANK_501/ETH_TX0: U1.G17 U45.19
/Principal/BANK_501/ETH_TX1: U1.G20 U45.20
/Principal/BANK_501/ETH_TX2: U1.G19 U45.21
/Principal/BANK_501/ETH_TX3: U1.H19 U45.22
/Principal/BANK_501/ETH_TX_CLK: U1.G21 U45.24
/Principal/BANK_501/ETH_TX_CTL: U1.F22 U45.25
/Principal/BANK_501/MDI1_N: J17.2 U45.3
/Principal/BANK_501/MDI1_P: J17.1 U45.2
/Principal/BANK_501/MDI2_N: J17.4 U45.6
/Principal/BANK_501/MDI2_P: J17.3 U45.5
/Principal/BANK_501/MDI3_N: J17.6 U45.8
/Principal/BANK_501/MDI3_P: J17.5 U45.7
/Principal/BANK_501/MDI4_N: J17.8 U45.11
/Principal/BANK_501/MDI4_P: J17.7 U45.10
/Principal/BANK_501/OTG_VBUS_B: C244.1 C245.1 FB8.2 J16.1 R135.2 U44.4
/Principal/BANK_501/PS_SRST_B: D6.2 J5.D34 J6.10 U17.8
/Principal/BANK_501/SDIO_CLK: R132.1 U46.9
/Principal/BANK_501/SDIO_CMD: U1.C19 U46.4
/Principal/BANK_501/SDIO_D0: U1.F17 U46.6
/Principal/BANK_501/SDIO_D1: U1.D18 U46.7
/Principal/BANK_501/SDIO_D2: U1.E18 U46.1
/Principal/BANK_501/SDIO_D3: U1.C18 U46.3
/Principal/BANK_501/SPI_CLK: U1.B21 U22.4
/Principal/BANK_501/SPI_CS: U1.A18 U22.5
/Principal/BANK_501/SPI_MISO: U1.B19 U22.2
/Principal/BANK_501/SPI_MOSI: U1.E17 U22.3
/Principal/BANK_501/USB_B_N: J16.2 TR2.4 U44.3
/Principal/BANK_501/USB_B_P: J16.3 TR2.1 U44.2
/Principal/BANK_501/USB_CLK: U1.K16 U41.1
/Principal/BANK_501/USB_D0: U1.K17 U41.3
/Principal/BANK_501/USB_D1: U1.E22 U41.4
/Principal/BANK_501/USB_D2: U1.J16 U41.5
/Principal/BANK_501/USB_D3: U1.D19 U41.6
/Principal/BANK_501/USB_D4: U1.J18 U41.7
/Principal/BANK_501/USB_D5: U1.D20 U41.9
/Principal/BANK_501/USB_D6: U1.D21 U41.10
/Principal/BANK_501/USB_D7: U1.C21 U41.13
/Principal/BANK_501/USB_DIR: U1.E20 U41.31
/Principal/BANK_501/USB_ID: D8.2 J16.4 U41.23
/Principal/BANK_501/USB_N: TR2.3 U41.19
/Principal/BANK_501/USB_NXT: U1.E21 U41.2
/Principal/BANK_501/USB_P: TR2.2 U41.18
/Principal/BANK_501/USB_STP: U1.K19 U41.29
/Principal/BANK_502/DDR_A0: R3.2 U1.K22 U2.N3 U3.N3
/Principal/BANK_502/DDR_A1: R4.2 U1.K20 U2.P7 U3.P7
/Principal/BANK_502/DDR_A2: R5.2 U1.N21 U2.P3 U3.P3
/Principal/BANK_502/DDR_A3: R6.2 U1.L22 U2.N2 U3.N2
/Principal/BANK_502/DDR_A4: R7.2 U1.M20 U2.P8 U3.P8
/Principal/BANK_502/DDR_A5: R8.2 U1.N22 U2.P2 U3.P2
/Principal/BANK_502/DDR_A6: R9.2 U1.L20 U2.R8 U3.R8
/Principal/BANK_502/DDR_A7: R10.2 U1.J21 U2.R2 U3.R2
/Principal/BANK_502/DDR_A8: R11.2 U1.T20 U2.T8 U3.T8
/Principal/BANK_502/DDR_A9: R12.2 U1.U20 U2.R3 U3.R3
/Principal/BANK_502/DDR_A10: R13.2 U1.M22 U2.L7 U3.L7
/Principal/BANK_502/DDR_A11: R14.2 U1.H21 U2.R7 U3.R7
/Principal/BANK_502/DDR_A12: R15.2 U1.P20 U2.N7 U3.N7
/Principal/BANK_502/DDR_A13: R16.2 U1.J20 U2.T3 U3.T3
/Principal/BANK_502/DDR_A14: R17.2 U1.R20 U2.T7 U3.T7
/Principal/BANK_502/DDR_BA0: R18.2 U1.U22 U2.M2 U3.M2
/Principal/BANK_502/DDR_BA1: R19.2 U1.T22 U2.N8 U3.N8
/Principal/BANK_502/DDR_BA2: R20.2 U1.R22 U2.M3 U3.M3
/Principal/BANK_502/DDR_CAS: R21.2 U1.Y23 U2.K3 U3.K3
/Principal/BANK_502/DDR_CKE: R22.2 U1.U21 U2.K9 U3.K9
/Principal/BANK_502/DDR_CLK_N: R27.1 U1.P21 U2.K7 U3.K7
/Principal/BANK_502/DDR_CLK_P: R27.2 U1.R21 U2.J7 U3.J7
/Principal/BANK_502/DDR_CS: R23.2 U1.Y21 U2.L2 U3.L2
/Principal/BANK_502/DDR_DM0: U1.G24 U2.D3
/Principal/BANK_502/DDR_DM1: U1.K25 U2.E7
/Principal/BANK_502/DDR_DM2: U1.P26 U3.D3
/Principal/BANK_502/DDR_DM3: U1.V26 U3.E7
/Principal/BANK_502/DDR_DQ0: U1.J26 U2.C8
/Principal/BANK_502/DDR_DQ1: U1.F25 U2.A3
/Principal/BANK_502/DDR_DQ2: U1.J25 U2.A7
/Principal/BANK_502/DDR_DQ3: U1.G26 U2.C2
/Principal/BANK_502/DDR_DQ4: U1.H26 U2.C3
/Principal/BANK_502/DDR_DQ5: U1.H23 U2.A2
/Principal/BANK_502/DDR_DQ6: U1.J24 U2.D7
/Principal/BANK_502/DDR_DQ7: U1.J23 U2.B8
/Principal/BANK_502/DDR_DQ8: U1.K26 U2.H3
/Principal/BANK_502/DDR_DQ9: U1.L23 U2.H8
/Principal/BANK_502/DDR_DQ10: U1.M26 U2.F8
/Principal/BANK_502/DDR_DQ11: U1.K23 U2.E3
/Principal/BANK_502/DDR_DQ12: U1.M25 U2.F7
/Principal/BANK_502/DDR_DQ13: U1.N24 U2.F2
/Principal/BANK_502/DDR_DQ14: U1.M24 U2.H7
/Principal/BANK_502/DDR_DQ15: U1.N23 U2.G2
/Principal/BANK_502/DDR_DQ16: U1.R26 U3.C3
/Principal/BANK_502/DDR_DQ17: U1.P24 U3.C2
/Principal/BANK_502/DDR_DQ18: U1.N26 U3.A3
/Principal/BANK_502/DDR_DQ19: U1.P23 U3.A2
/Principal/BANK_502/DDR_DQ20: U1.T24 U3.B8
/Principal/BANK_502/DDR_DQ21: U1.T25 U3.D7
/Principal/BANK_502/DDR_DQ22: U1.T23 U3.C8
/Principal/BANK_502/DDR_DQ23: U1.R23 U3.A7
/Principal/BANK_502/DDR_DQ24: U1.V24 U3.H3
/Principal/BANK_502/DDR_DQ25: U1.U26 U3.H8
/Principal/BANK_502/DDR_DQ26: U1.U24 U3.G2
/Principal/BANK_502/DDR_DQ27: U1.U25 U3.H7
/Principal/BANK_502/DDR_DQ28: U1.W26 U3.F8
/Principal/BANK_502/DDR_DQ29: U1.Y25 U3.E3
/Principal/BANK_502/DDR_DQ30: U1.Y26 U3.F2
/Principal/BANK_502/DDR_DQ31: U1.W23 U3.F7
/Principal/BANK_502/DDR_DQS0_N: U1.G25 U2.B7
/Principal/BANK_502/DDR_DQS0_P: U1.H24 U2.C7
/Principal/BANK_502/DDR_DQS1_N: U1.L25 U2.G3
/Principal/BANK_502/DDR_DQS1_P: U1.L24 U2.F3
/Principal/BANK_502/DDR_DQS2_N: U1.R25 U3.B7
/Principal/BANK_502/DDR_DQS2_P: U1.P25 U3.C7
/Principal/BANK_502/DDR_DQS3_N: U1.W25 U3.G3
/Principal/BANK_502/DDR_DQS3_P: U1.W24 U3.F3
/Principal/BANK_502/DDR_ODT: R24.2 U1.Y22 U2.K1 U3.K1
/Principal/BANK_502/DDR_RAS: R25.2 U1.V23 U2.J3 U3.J3
/Principal/BANK_502/DDR_RESET: R28.1 U1.H22 U2.T2 U3.T2
/Principal/BANK_502/DDR_WE: R26.2 U1.V22 U2.L3 U3.L3
/Principal/BANKS_HP/FAN_PWM: Q2.1 R98.1 U1.B17
/Principal/BANKS_HP/FMC_CLK1_C2M_N: J5.J3 U1.D14
/Principal/BANKS_HP/FMC_CLK1_C2M_P: J5.J2 U1.D15
/Principal/BANKS_HP/FMC_CLK1_M2C_N: J5.K5 U1.H14
/Principal/BANKS_HP/FMC_CLK1_M2C_P: J5.K4 U1.J14
/Principal/BANKS_HP/FMC_HA_0_N: J5.F5 U1.C6
/Principal/BANKS_HP/FMC_HA_0_P: J5.F4 U1.D6
/Principal/BANKS_HP/FMC_HA_1_N: J5.E3 U1.C7
/Principal/BANKS_HP/FMC_HA_1_P: J5.E2 U1.C8
/Principal/BANKS_HP/FMC_HA_2_N: J5.K8 U1.F2
/Principal/BANKS_HP/FMC_HA_2_P: J5.K7 U1.G2
/Principal/BANKS_HP/FMC_HA_3_N: J5.J7 U1.F4
/Principal/BANKS_HP/FMC_HA_3_P: J5.J6 U1.G4
/Principal/BANKS_HP/FMC_HA_4_N: J5.F8 U1.E1
/Principal/BANKS_HP/FMC_HA_4_P: J5.F7 U1.E2
/Principal/BANKS_HP/FMC_HA_5_N: J5.E7 U1.H11